# Altium PCB LM_HTR_001_TEST.PcbDoc
Units mil, origin at the board's own origin, x right, y up, seen from the top; angles counter-clockwise.
Board outline 2800 x 4600 mil, 2 copper layers (Top Layer, Bottom Layer); 3 components, 20 nets, 125 pads, 1 vias.
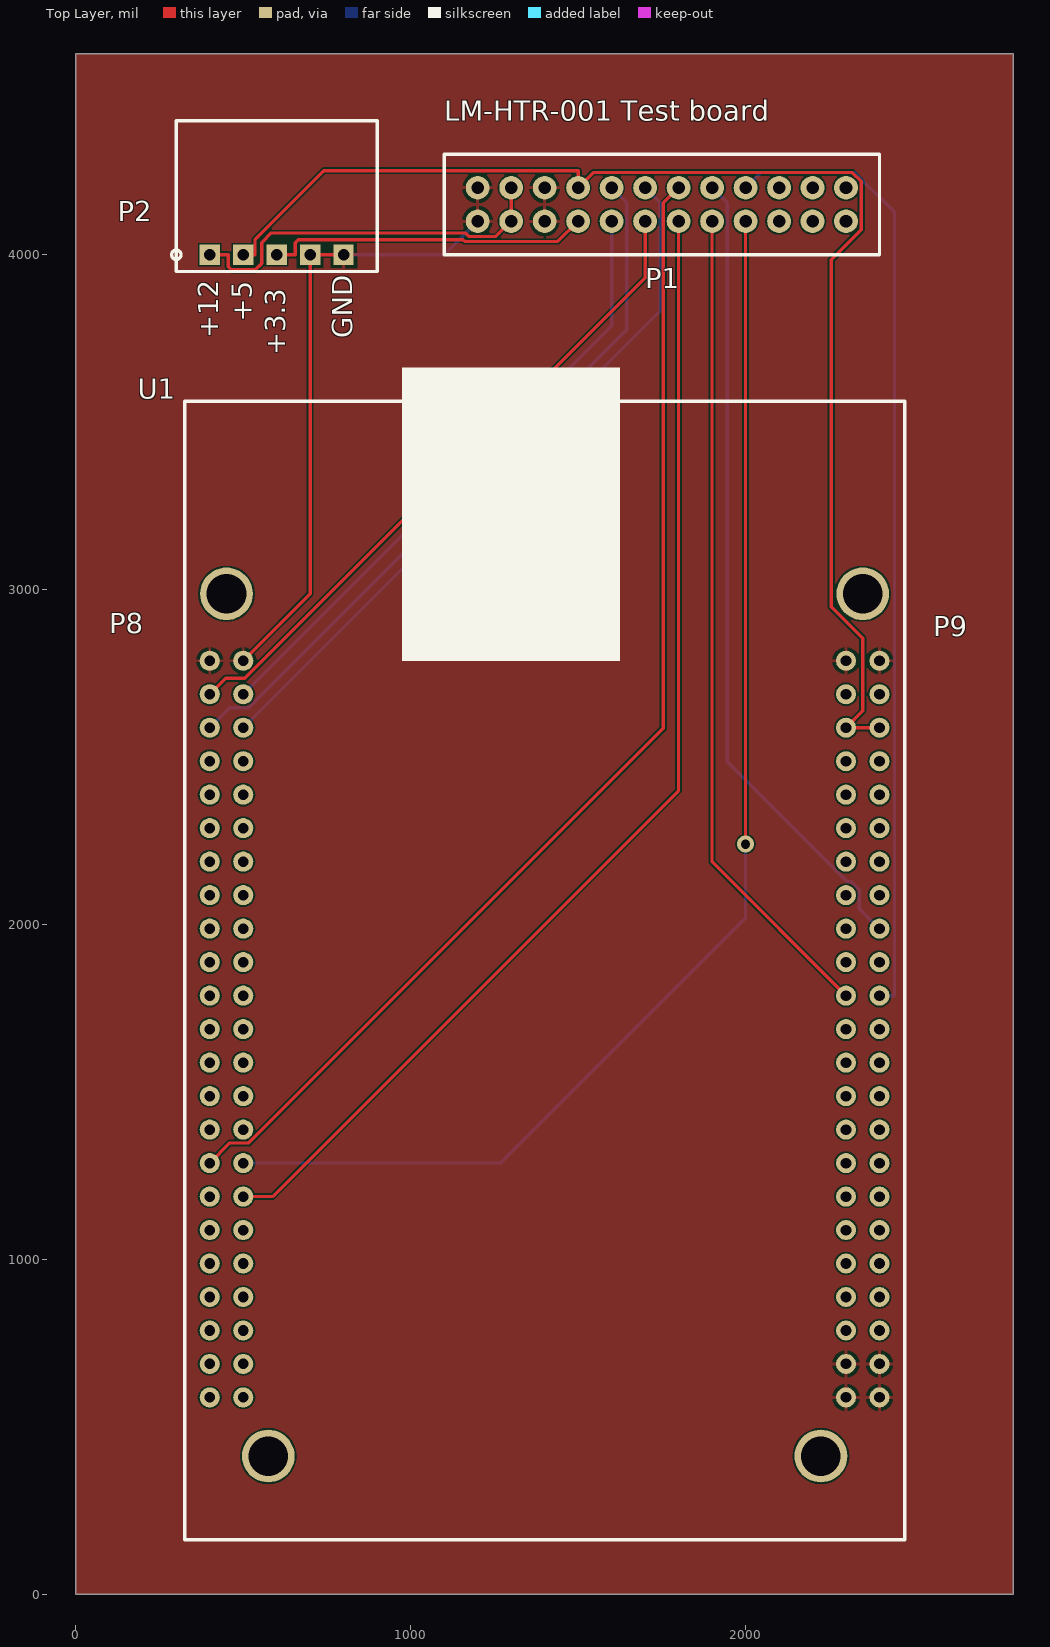
[diagram p0: Top Layer view]
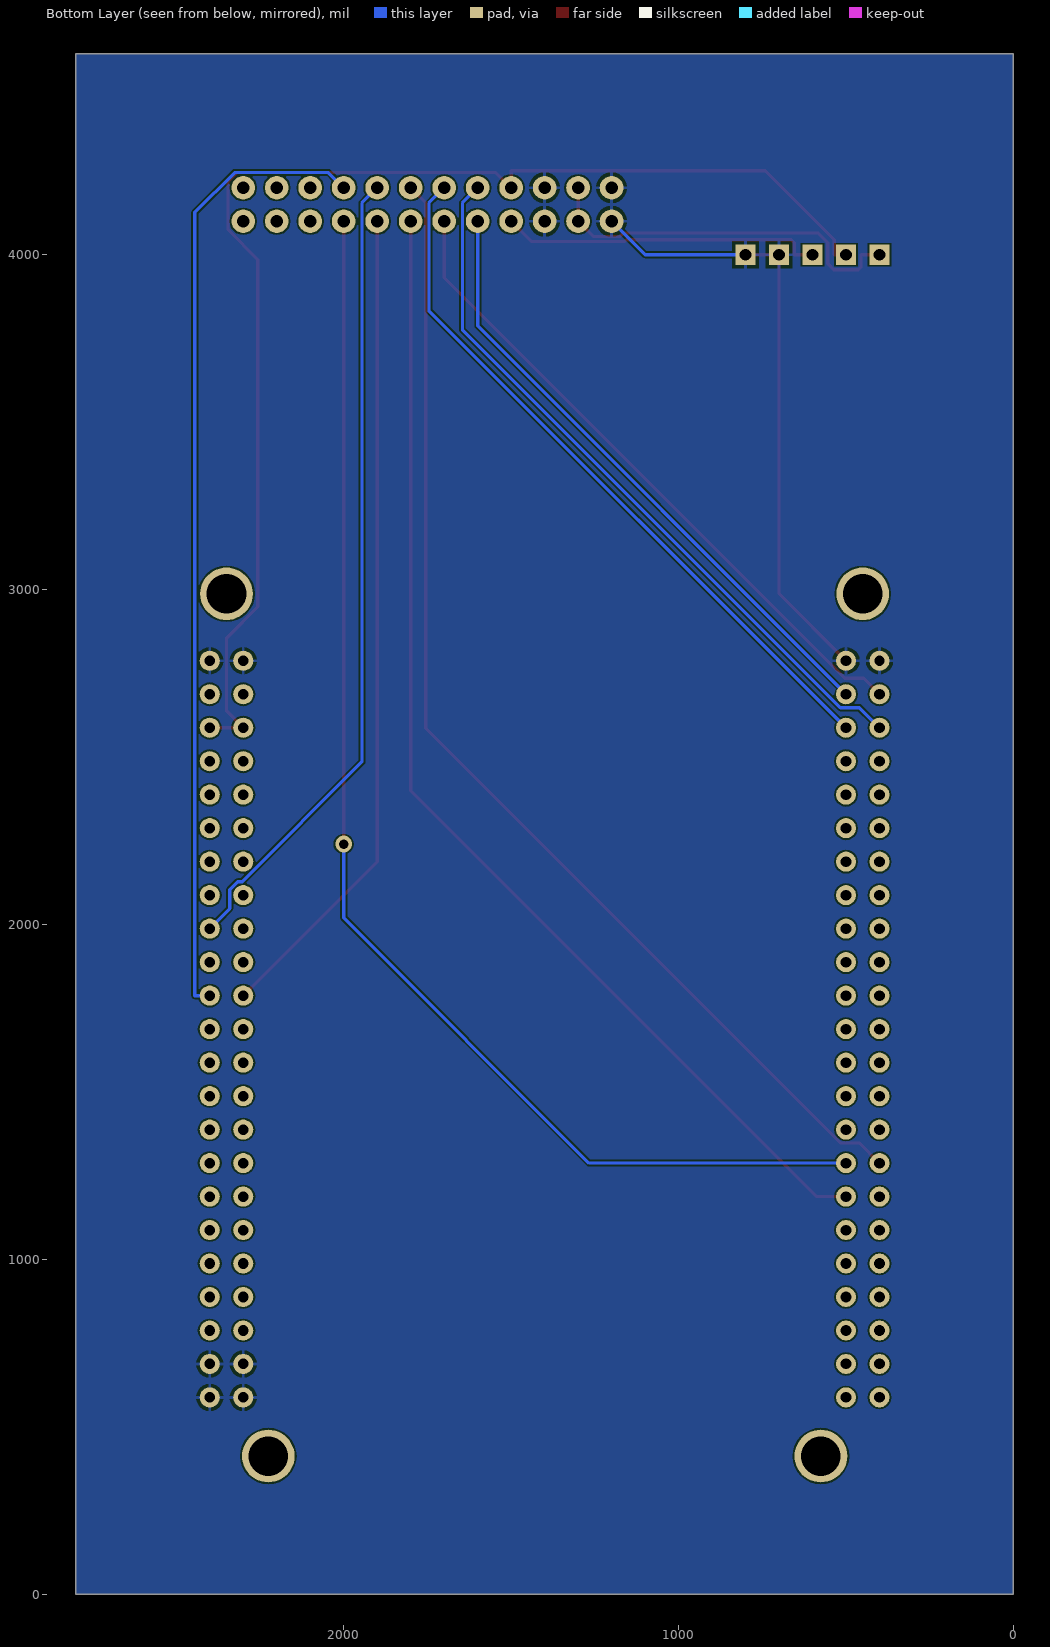
[diagram p1: Bottom Layer view, seen from below]

## Layer stack, top to bottom
Top Solder: solder mask 0.4, Solder Resist, Dk 3.5
Top Layer: signal copper 1.4
Dielectric 1: dielectric 12.6, FR-4, Dk 4.8
Bottom Layer: signal copper 1.4
Bottom Solder: solder mask 0.4, Solder Resist, Dk 3.5

## Board outline
0,4600 0,0 2800,0 2800,4600

## Design rules (kind name [scope] priority, off if disabled: settings)
Clearance [All] p1: gap=5 ignorepadtopadclearanceinfootprint=FALSE
HoleSize [All] p1: absolutevalues=TRUE maxlimit=500 minlimit=1 maxpercent=80.000 minpercent=20.000
PolygonConnect [All] p1: connectstyle=Relief reliefconductorwidth=10 reliefentries=4 polygonreliefangle="90 Angle" airgapwidth=10
RoutingVias [All] p1: holewidth=28 width=50 viastyle="Through Hole" minholewidth=28 minwidth=50 maxholewidth=28 maxwidth=50
SolderMaskExpansion [All] p1: expansion=4
Width [All] p1: maxlimit=10 minlimit=10 preferedwidth=10
29 further rules are at their usual default settings.

## Classes and differential pairs
component class Connectors: P1 P2
component class LM_HTR_001_TEST: U1

## Components (designator, comment, footprint, x,y, rotation, side; value= is the part's Value field where it differs from the comment)
P1 "IPL1-112-01-F-S-K" IPL1-112-01-F-S-K 2300,4200 r180 top
P2 "IPL1-105-01-F-S-RA" IPL1-105-01-F-S-RA 600,4000 r0 top
U1 "BBB" "Beaglebone Black" 1400,1700 r0 top

## Footprints (in the part's own frame and the unit in brackets; to place one, negate y for a bottom-side part, rotate by r counter-clockwise, add the part's x,y. Pads: shape width x height; smd on the part's side, far side on the other; paste and mask are expansions set on the pad)
"Beaglebone Black" [mil]
  round 60 hole 31.5: 8-1(-900,1087.5) 8-3(-900,987.5) 8-4(-1000,987.5) 8-5(-900,887.5) 8-6(-1000,887.5) 8-7(-900,787.5) 8-8(-1000,787.5) 8-9(-900,687.5) 8-10(-1000,687.5) 8-11(-900,587.5) 8-12(-1000,587.5) 8-13(-900,487.5) 8-14(-1000,487.5) 8-15(-900,387.5) 8-16(-1000,387.5) 8-17(-900,287.5) 8-18(-1000,287.5) 8-19(-900,187.5) 8-20(-1000,187.5) 8-21(-900,87.5) 8-22(-1000,87.5) 8-23(-900,-12.5) 8-24(-1000,-12.5) 8-25(-900,-112.5) 8-26(-1000,-112.5) 8-27(-900,-212.5) 8-28(-1000,-212.5) 8-29(-900,-312.5) 8-30(-1000,-312.5) 8-31(-900,-412.5) 8-32(-1000,-412.5) 8-33(-900,-512.5) 8-34(-1000,-512.5) 8-35(-900,-612.5) 8-36(-1000,-612.5) 8-37(-900,-712.5) 8-38(-1000,-712.5) 8-39(-900,-812.5) 8-40(-1000,-812.5) 8-41(-900,-912.5) 8-42(-1000,-912.5) 8-43(-900,-1012.5) 8-44(-1000,-1012.5) 8-45(-900,-1112.5) 8-46(-1000,-1112.5) 9-1(1000,1087.5) 9-2(900,1087.5) 9-3(1000,987.5) 9-4(900,987.5) 9-5(1000,887.5) 9-6(900,887.5) 9-7(1000,787.5) 9-8(900,787.5) 9-9(1000,687.5) 9-10(900,687.5) 9-11(1000,587.5) 9-12(900,587.5) 9-13(1000,487.5) 9-14(900,487.5) 9-15(1000,387.5) 9-16(900,387.5) 9-17(1000,287.5) 9-18(900,287.5) 9-19(1000,187.5) 9-20(900,187.5) 9-21(1000,87.5) 9-22(900,87.5) 9-23(1000,-12.5) 9-24(900,-12.5) 9-25(1000,-112.5) 9-26(900,-112.5) 9-27(1000,-212.5) 9-28(900,-212.5) 9-29(1000,-312.5) 9-30(900,-312.5) 9-31(1000,-412.5) 9-32(900,-412.5) 9-33(1000,-512.5) 9-34(900,-512.5) 9-35(1000,-612.5) 9-36(900,-612.5) 9-37(1000,-712.5) 9-38(900,-712.5) 9-39(1000,-812.5) 9-40(900,-812.5) 9-41(1000,-912.5) 9-42(900,-912.5) 9-43(1000,-1012.5) 9-44(900,-1012.5) 9-45(1000,-1112.5) 9-46(900,-1112.5)
  round 60 hole 30 paste+0: 8-2(-1000,1087.5)
  round 157.48 hole 118.11 paste+0: ""(-950,1287.5)
  round 157.48 hole 118.11: ""(-825,-1287.5) ""(825,-1287.5) ""(950,1287.5)
  silkscreen extent -1075,-1538 1075,1962, body extent -1078,-1599 1074,1962, height 493
IPL1-105-01-F-S-RA [mil]
  rect 60x60 hole 35.43: 1(-200,0) 2(-100,0) 3(0,0) 4(100,0) 5(200,0)
  silkscreen extent -314,-50 300,400, body extent -270,-7 290,390, height 258
IPL1-112-01-F-S-K [mm]
  round 1.8 hole 0.95: 1(0,0) 2(0,2.54) 3(2.54,0) 4(2.54,2.54) 5(5.08,0) 6(5.08,2.54) 7(7.62,0) 8(7.62,2.54) 9(10.16,0) 10(10.16,2.54) 11(12.7,0) 12(12.7,2.54) 13(15.24,0) 14(15.24,2.54) 15(17.78,0) 16(17.78,2.54) 17(20.32,0) 18(20.32,2.54) 19(22.86,0) 20(22.86,2.54) 21(25.4,0) 22(25.4,2.54) 23(27.94,0) 24(27.94,2.54)
  silkscreen extent -2.54,-2.54 30.48,5.08, body extent -1.98,-3.05 30.02,4.83, height 8.13

## Part data
P1: "IPL1-112-01-F-D-K", Manufacturer=Samtec, Supplier Part Number 1=08W3504, ComponentLink1Description=https://datasheet.ciiva.com/9444/ipl1-9444389.pdf, ComponentLink1URL=https://datasheet.ciiva.com/9444/ipl1-9444389.pdf, Gender=Male, Manufacturer Part Number=IPL1-112-01-F-S-K, Mount="Through Hole", Number of Contacts=12, Orientation=Straight, Packaging=Bulk, Pitch=2.54mm, Radiation Hardening=No, Stock 2=0, Supplier 1=Newark, Supplier 2=Avnet, Supplier Part Number 2=IPL1-112-01-F-S-K, Termination=Solder
P2: Supplier Part Number 1=IPL1-105-01-F-S-RA-K-ND, Supplier 1=Digi-Key
U1: library part Beaglebone_Black, "Beaglebone Black"

## Via types
v1: diameter 50, hole 28, Top Layer to Bottom Layer, 1 vias

## Nets (pads, with @x,y where several pads share a name; then routed paths per layer and width w, separated by ;. In a path a pad name is that pad's centre, name@x,y a point inside that pad or via, vN(x,y) a via of type N, cw(c..) or ccw(c..) an arc to the next point about the centre after c; other vN are vias at no path point)
+3.3: P1.18 P2.3 | length 967.1
  Top Layer w10: P2.3 655,4000 655,4036.21 663.79,4045 1155.39,4045 1160.83,4039.57 1439.57,4039.57 P1.18
+5: P1.17 P2.2 U1.9-5 U1.9-6 | length 3883.3
  Top Layer w10: P2.2 535,4000 535,4044.5 740.94,4250.43 1500,4250.43 P1.17 1545.43,4245.43 2318.82,4245.43 2345.43,4218.82 2345.43,4074.11 2256.26,3984.94 2256.26,2948.67 2350,2854.93 2350,2637.5 U1.9-6 U1.9-5
+12: P1.21 P1.22 P2.1 | length 1145.1
  Top Layer w10: P2.1 455,4000 455,3963.79 463.79,3955 536.21,3955 555,3973.79 555,4036.21 583.79,4065 1163.68,4065 1174.11,4054.57 1254.57,4054.57 P1.22 P1.21
Cross_Green: P1.3
Cross_Orange: P1.1
Cross_Yellow: P1.5
GND: P1.19 P1.20 P1.23 P1.24 P2.4 P2.5 U1.8-1 U1.8-2 U1.9-1 U1.9-2 U1.9-43 U1.9-44 U1.9-45 U1.9-46 | length 1836.8
  Top Layer w10: U1.8-1 700,2987.5 P2.4 P2.5
  Bottom Layer w10: P2.5 1100,4000 P1.24
Long_Green: P1.4
Long_Orange: P1.2
Long_Yellow: P1.6
NetP1_13: P1.13 U1.8-5 | length 2147.2
  Bottom Layer w10: U1.8-5 1745.43,3832.93 1745.43,4154.57 P1.13
NetP1_14: P1.14 U1.8-4 | length 1984.1
  Top Layer w10: U1.8-4 447.5,2735 504.07,2735 1700,3930.93 P1.14
NetP1_15: P1.15 U1.8-6 | length 2180.3
  Bottom Layer w10: U1.8-6 460,2647.5 516.57,2647.5 1645.43,3776.36 1645.43,4154.57 P1.15
NetP1_16: P1.16 U1.8-3 | length 1868.1
  Bottom Layer w10: U1.8-3 1600,3787.5 P1.16
SPI0_MISO: P1.7 U1.9-21 | length 2897
  Bottom Layer w10: P1.7 2045.43,4245.43 2325.89,4245.43 2445,4126.32 2445,1787.5 U1.9-21
SPI0_SCLK: P1.10 U1.9-22 | length 2478.2
  Top Layer w10: P1.10 1900,2187.5 U1.9-22
Thermistor_CS0: P1.9 U1.9-17 | length 2427.3
  Bottom Layer w10: P1.9 1945.43,4154.57 1945.43,2485.5 2303.43,2127.5 2316.57,2127.5 2340,2104.07 2340,2047.5 U1.9-17
"Thermistor_MUX A2": P1.12 U1.8-33 | length 3502.2
  Top Layer w10: U1.8-33 587.5,1187.5 1800,2400 P1.12
Thermistor_MUX_A0: P1.8 U1.8-31 | length 3883.4
  Top Layer w10: v1(2000,2240) P1.8
  Bottom Layer w10: U1.8-31 1267.5,1287.5 2000,2020 v1(2000,2240)
Thermistor_MUX_A1: P1.11 U1.8-32 | length 3525.5
  Top Layer w10: U1.8-32 460,1347.5 516.57,1347.5 1754.57,2585.5 1754.57,4154.57 P1.11
pads on no net: U1. U1.8-7 U1.8-8 U1.8-9 U1.8-10 U1.8-11 U1.8-12 U1.8-13 U1.8-14 U1.8-15 U1.8-16 U1.8-17 U1.8-18 U1.8-19 U1.8-20 U1.8-21 U1.8-22 U1.8-23 U1.8-24 U1.8-25 U1.8-26 U1.8-27 U1.8-28 U1.8-29 U1.8-30 U1.8-34 U1.8-35 U1.8-36 U1.8-37 U1.8-38 U1.8-39 U1.8-40 U1.8-41 U1.8-42 U1.8-43 U1.8-44 U1.8-45 U1.8-46 U1.9-3 U1.9-4 U1.9-7 U1.9-8 U1.9-9 U1.9-10 U1.9-11 U1.9-12 U1.9-13 U1.9-14 U1.9-15 U1.9-16 U1.9-18 U1.9-19 U1.9-20 U1.9-23 U1.9-24 U1.9-25 U1.9-26 U1.9-27 U1.9-28 U1.9-29 U1.9-30 U1.9-31 U1.9-32 U1.9-33 U1.9-34 U1.9-35 U1.9-36 U1.9-37 U1.9-38 U1.9-39 U1.9-40 U1.9-41 U1.9-42

## Polygon pours and split planes (outlines as drawn)
GND on Top Layer "GND" (solid, pour order 0): 0,4600 0,0 2800,0 2800,4600
GND on Bottom Layer "GND" (solid, pour order 2): 0,4600 0,0 2800,0 2800,4600

## Silkscreen, mask and mechanical layers (free items; w line width, h text height)
Top Overlay:
  text "LM-HTR-001 Test board" at 1100,4400 h60
  text "+5" at 525,3800 h60 r90
  text "+12" at 425,3750 h60 r90
  text "GND" at 825,3750 h60 r90
  text "+3.3" at 625,3700 h60 r90

## Dimensions
2800,0 to 0,0 on Mechanical 1
0,0 to -100,4600 on Mechanical 1